# Altium PCB MB1605.PcbDoc (part 2 of 11)
Units mm, origin at the board's own origin, x right, y up, seen from the top; angles counter-clockwise.
Board outline 100 x 79.6 mm, 6 copper layers (Top Layer, Signal Layer 1, Signal Layer 2, Signal Layer 3, Signal Layer 4, Bottom Layer), stack 1.549 mm thick; 644 components, 529 nets, 2853 pads, 1462 vias.
Unrouted connection lines stored in the file: 2.
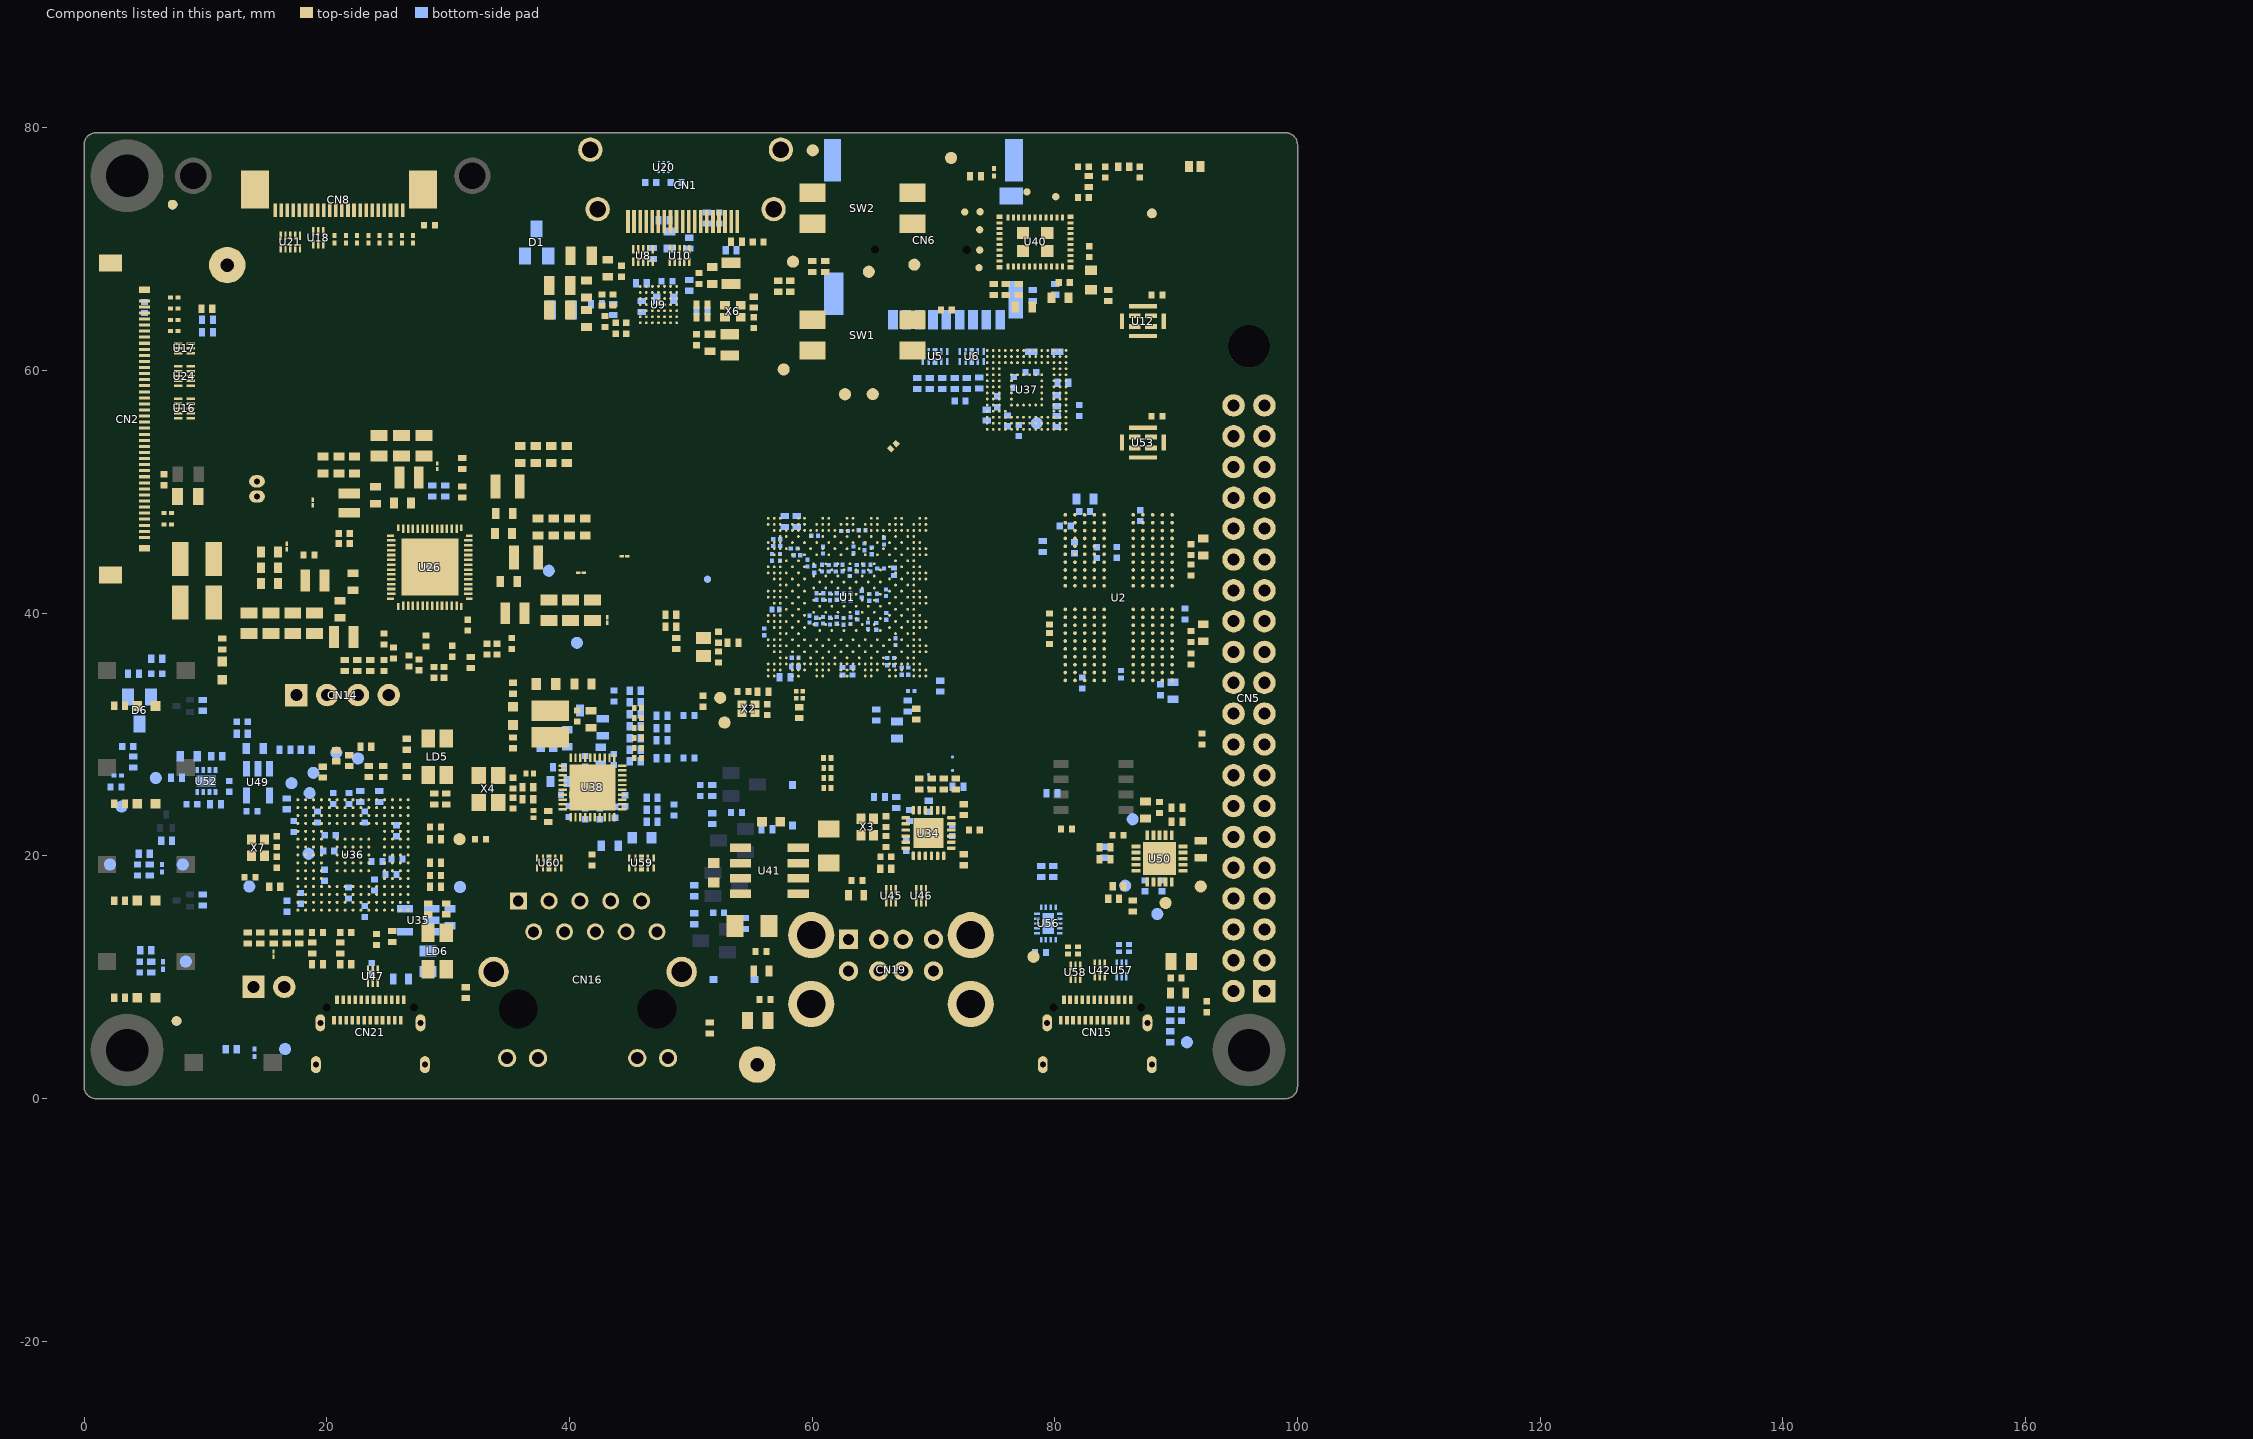
[diagram p6: the components of this part, seen from the top]

## Components (designator, comment, footprint, x,y, rotation, side; value= is the part's Value field where it differs from the comment) (continued)
R120 "Resistor" R0201_H0P23 45.645,30.544 r180 top value=22R
R121 "Resistor" R0201_H0P23 45.645,29.72 r180 top value=22R
R122 "Resistor" R0402 58.2,66.95 r90 top value=1K
R123 "Resistor" R0402 61.1,68.575 r270 top value=1K
R124 "Resistor" R0402 60.025,68.575 r270 top value=1K
R125 "Resistor" R0402 26.59,29.207 r90 top value=10K
R126 "Resistor" R0402 4.963,20.187 r0 bottom value=330R
R127 "Resistor" R0402 5.082,12.237 r0 bottom value=330R
R128 "Resistor" R0402 5.413,18.85 r90 bottom value=100K
R129 "Resistor" R0402 20.79,28.257 r90 top value=0R
R130 "Resistor" R0402 28.85,24.7 r90 top value=330R
R131 "Resistor" R0402 29.858,24.7 r270 top value=1K
R132 "Resistor" R0402 29.85,15.644 r90 top value=330R
R133 "Resistor" R0402 28.35,15.644 r90 top value=1K
R134 "Resistor" R0402 21.84,27.857 r90 top value=33R
R135 "Resistor" R0402 5.532,10.837 r90 bottom value=100K
R136 "Resistor" R0402 2.936,8.327 r0 top value=360R
R137 "Resistor" R0402 6.813,21.252 r0 bottom value=100K
R138 "Resistor" R0402 2.936,24.294 r180 top value=270R
R139 "Resistor" R0402 4.056,27.75 r90 bottom value=1K
R140 "Resistor" R0402 7.627,26.441 r0 bottom value=100R
R141 "Resistor" R0402 9.786,16.377 r90 bottom value=100K
R142 "Resistor" R0402 2.936,16.327 r180 top value=300R
R143 "Resistor" R0402 9.786,32.411 r90 bottom value=100K
R144 "" R0402 2.936,32.361 r0 top value=120R
R147 "Resistor" R0201_H0P23 45.645,28.898 r180 top value=22R
R148 "Resistor" R0201_H0P23 45.644,28.065 r180 top value=22R
R149 "Resistor" R0201_H0P23 45.645,32.185 r180 top value=22R
R150 "Resistor" R0201_H0P23 45.645,31.365 r180 top value=22R
R151 "Resistor" R0402 35.35,33.82 r90 top value=270R
R153 "Resistor" R0402 23.465,26.957 r90 top value=33R
R154 "Resistor" R0402 24.64,26.957 r90 top value=0R
R155 "Resistor" R0402 26.59,26.957 r270 top value=0R
R156 "Resistor" R0402 19.69,26.907 r90 top value=10K
R158 "" R0402 35.35,29.32 r90 top value=4K7
R161 "Resistor" R0201_H0P23 62.506,35.225 r270 bottom value=22R
R162 "Resistor" R0402 51.775,23.075 r90 bottom value=100K
R164 "Resistor" R0201_H0P23 63.319,35.225 r270 bottom value=22R
R167 "Resistor" R0201_H0P23 61.245,28.065 r180 top value=22R
R173 "Resistor" R0201_H0P23 61.26,27.24 r180 top value=22R
R176 "Resistor" R0201_H0P23 36.725,26.8 r0 top value=22R
R178 "Resistor" R0201_H0P23 61.26,26.415 r180 top value=22R
R181 "Resistor" R0402 28.965,21.382 r0 top value=100R
R182 "" R0402 36.575,25.675 r0 top value=0R
R185 "Resistor" R0201_H0P23 61.26,25.59 r180 top value=22R
R187 "Resistor" R0402 50.297,14.825 r90 bottom value=100K
R188 "" R0402 36.575,24.675 r0 top value=0R
R191 "" R0402 46.82,24.8 r0 bottom value=1K5
R194 "Resistor" R0402 28.965,19.432 r0 top value=3K
R195 "" R0402 46.82,23.8 r0 bottom value=1K5
R196 "Resistor" R0201_H0P23 37.025,23.45 r90 top value=22R
R199 "" R0402 38.275,23.25 r270 top value=2K49
R200 "Resistor" R0402 54.438,14.437 r270 bottom value=100K
R205 "Resistor" R0402 46.82,22.8 r0 bottom value=10K
R207 "Resistor" R0402 15.715,17.482 r180 top value=33R
R209 "Resistor" R0402 28.965,17.443 r0 top value=33R
R210 "Resistor" R0402 11.386,37.465 r270 top value=270R
R211 "Resistor" R0402 25.415,13.362 r90 top value=0R
R212 "Resistor" R0402 13.49,13.232 r270 top value=0R
R213 "Resistor" R0402 14.54,13.232 r270 top value=10K
R214 "Resistor" R0402 15.615,13.232 r270 top value=10K
R215 "Resistor" R0402 16.69,13.232 r270 top value=10K
R216 "Resistor" R0402 17.74,13.232 r270 top value=5K1
R217 "Resistor" R0402 18.795,12.407 r270 top value=100K
R218 "Resistor" R0402 21.115,12.407 r270 top value=100K
R219 "Resistor" R0402 89.5,6.879 r90 bottom value=140K
R220 "Resistor" R0402 89.5,5.1 r90 bottom value=10K
R221 "Resistor" R0402 19.245,11.057 r0 top value=5K1
R222 "Resistor" R0402 21.565,11.057 r0 top value=5K1
R223 "Resistor" R0402 85.218,17.522 r180 top value=10K
R224 "Resistor" R0402 84.13,19.71 r180 top value=1K5
R225 "Resistor" R0603 92.025,20.56 r90 top value=22mR
R226 "Resistor" R0402 16.565,28.75 r0 bottom value=3K9
R227 "Resistor" R0402 18.315,28.75 r180 bottom value=100K
R228 "Resistor" R0402 84.13,20.71 r180 top value=1K5
R229 "Resistor" R0402 16.69,24.294 r90 bottom value=100K
R230 "Resistor" R0402 13.042,30.075 r0 bottom value=3K
R231 "Resistor" R0402 90.075,22.835 r0 top value=24K
R232 "Resistor" R0402 90.075,23.99 r180 top value=100K
R233 "" R0402 31.44,8.736 r90 top value=510R
R234 "" R0402 51.575,5.825 r270 top value=510R
R239 "Resistor" R0402 10.836,24.257 r180 bottom value=100K
R240 "Resistor" R0402 24.335,24.9 r270 bottom value=1K3
R241 "Resistor" R0402 22.765,24.9 r270 bottom value=1K8
R242 "Resistor" R0402 10.936,28.217 r0 bottom value=3K9
R245 "Resistor" R0402 48.355,39.873 r180 top value=1K5
R246 "Resistor" R0402 84.074,20.308 r270 bottom value=1K5
R248 "Resistor" R0402 80.657,58.98 r0 bottom value=10K
R250 "Resistor" R0402 57.744,47.57 r90 bottom value=200R
R251 "Resistor" R0402 58.751,47.57 r90 bottom value=200R
R260 "Resistor" R0402 28.689,50.071 r270 bottom value=1K5
R261 "Resistor" R0402 29.763,50.071 r270 bottom value=1K5
R267 "" R0402 57.773,34.723 r180 bottom value=0R
R269 "" R0402 58.956,31.808 r90 top value=0R
R272 "Resistor" R0402 48.805,37.505 r270 top value=10K
R286 "" R0402 67.89,32.365 r90 bottom value=0R
R292 "" R0402 45.42,29.72 r0 bottom value=4K7
R293 "" R0402 45.42,30.688 r0 bottom value=4K7
R303 "" R0402 45.42,27.785 r0 bottom value=4K7
R304 "" R0402 45.42,31.67 r0 bottom value=4K7
R305 "" R0402 45.42,32.651 r0 bottom value=4K7
R310 "" R0603 40.175,31.975 r0 bottom value=0R
R313 "" R0603 42.75,30.6 r90 bottom value=0R
R318 "" R0402 38.65,29.275 r90 bottom value=1K5
R319 "" R0402 37.625,29.275 r270 bottom value=4K7
R322 "" R0402 39.1,27.3 r180 bottom value=4K7
R323 "Resistor" R0402 72.483,19.687 r90 top value=10K
R324 "Resistor" R0402 72.477,23.817 r270 top value=10K
R325 "Resistor" R0402 79.775,25.178 r0 bottom value=1M
R327 "Resistor" R0402 86.438,15.875 r90 top value=100K
SB1 "SB_ON" SOLDER-BRIDGE_R0603-0R 69.587,26.223 r270 bottom
SB2 "SB_ON" SOLDER-BRIDGE_R0603-0R 71.577,27.65 r270 bottom
SW1 "SWITCH_2WAY" SWI_C&K_SDA02H1SBD_2POS 64.15,62.925 r90 top
SW2 "SWITCH_2WAY" SWI_C&K_SDA02H1SBD_2POS 64.15,73.375 r90 top
TP1 "Test Point" TP_SMD_0-6MM 80.075,74.331 r90 top
TP2 "Test Point" TP_SMD_1MM 2.136,19.3 r180 bottom
TP3 "Test Point" TP_SMD_1MM 8.136,19.3 r180 bottom
TP4 "Test Point" TP_SMD_1MM 40.618,37.56 r180 bottom
TP5 "Test Point" TP_SMD_1MM 8.386,11.3 r90 bottom
TP6 "Test Point" TP_SMD_1MM 3.095,24.07 r90 bottom
TP7 "Test Point" TP_SMD_1MM 5.913,26.425 r90 bottom
TP8 "Test_pin_conn_black" TP_PTH-1P02MM_TEST-TERMINAL_RS_101-2391_BLACK 11.799,68.689 r270 top value=TP
TP9 "Test Point" TP_SMD_0-6MM 77.7,74.725 r90 top
TP10 "Test Point" TP_SMD_0-6MM 73.754,68.475 r90 top
TP11 "Test Point" TP_SMD_1MM 86.412,23.025 r90 bottom
TP12 "Test Point" TP_SMD_1MM 52.427,33.031 r90 top
TP13 "Test Point" TP_SMD_1MM 20.79,28.507 r90 bottom
TP14 "Test Point" TP_SMD_0-6MM 73.81,69.925 r90 top
TP15 "Test Point" TP_SMD_1MM 64.995,58.058 r270 top
TP16 "Test Point" TP_SMD_1MM 62.711,58.047 r270 top
TP17 "Test Point" TP_SMD_0-6MM 72.573,73.072 r180 top
TP18 "Test Point" TP_SMD_0-6MM 51.376,42.803 r90 bottom
TP19 "Test Point" TP_SMD_0-6MM 73.844,73.087 r90 top
TP20 "Test Point" TP_SMD_0-6MM 73.81,71.607 r90 top
TP21 "Test Point" TP_SMD_1MM 78.516,55.665 r90 bottom
TP22 "Test Point" TP_SMD_1MM 16.565,4.09 r90 bottom
TP23 "Test Point" TP_SMD_1MM 57.651,60.096 r270 top
TP24 "Test Point" TP_SMD_1MM 64.675,68.143 r270 top
TP25 "Test Point" TP_SMD_1MM 68.425,68.725 r270 top
TP26 "Test Point" TP_SMD_1MM 18.9,26.85 r180 bottom
TP27 "Test Point" TP_SMD_1MM 18.505,20.182 r180 bottom
TP28 "Test Point" TP_SMD_1MM 17.098,26 r90 bottom
TP29 "Test Point" TP_SMD_1MM 18.59,25.182 r90 bottom
TP30 "Test Point" TP_SMD_1MM 38.304,43.502 r90 bottom
TP31 "Test Point" TP_SMD_1MM 58.425,68.975 r270 top
TP32 "Test Point" TP_SMD_1MM 71.45,77.525 r270 top
TP33 "Test Point" TP_SMD_1MM 30.94,21.382 r90 top
TP34 "Test Point" TP_SMD_1MM 78.243,11.686 r270 top
TP35 "Test Point" TP_SMD_1MM 90.888,4.65 r90 bottom
TP36 "Test Point" TP_SMD_1MM 85.798,17.551 r270 bottom
TP37 "Test Point" TP_SMD_1MM 88.449,15.218 r270 bottom
TP38 "Test Point" TP_SMD_1MM 89.125,16.131 r270 top
TP39 "Test Point" TP_SMD_1MM 92.025,17.49 r270 top
TP40 "Test Point" TP_SMD_1MM 30.985,17.443 r90 bottom
TP41 "Test Point" TP_SMD_1MM 13.625,17.482 r90 bottom
TP42 "Test Point" TP_SMD_1MM 52.78,30.993 r90 top
TP43 "Test Point" TP_SMD_1MM 22.575,28.041 r90 bottom
TP44 "Test Point" TP_SMD_1MM 60.05,78.15 r270 top
TP2000 "Test_pin_conn_black" TP_PTH-1P02MM_TEST-TERMINAL_RS_101-2391_BLACK 55.47,2.8 r90 top value=TP
U1 "STM32MP257FAK3" ICC_TFBGA424_14X14_P050_H1P20_CODE-B0A2 62.875,41.325 r0 top locked
U2 "MT53E1G32D2FW-046 WT:C" ICC_TFBGA200_10X14P5_P080_H1P05_PS0P3 85.26,41.29 r180 top locked
U3 "ESD-TRANSIL" ESD_ST0201 7.442,63.25 r0 top value=ESDZL5-1F4
U4 "ESD-TRANSIL" ESD_ST0201 7.429,66.025 r0 top value=ESDZL5-1F4
U5 "HSP051-4M10" ESD_UQFN-10L_2P5X1_P050 70.125,61.172 r0 bottom
U6 "HSP051-4M10" ESD_UQFN-10L_2P5X1_P050 73.154,61.172 r0 bottom
U7 "ESD-TRANSIL" ESD_ST0201 7.429,65.1 r0 top value=ESDZL5-1F4
U8 "ECMF4-40A100N10" ESD_UQFN-10L_2P25X1P4_P040 46.072,69.473 r180 top
U9 "ADV7535BCBZ" ICC_WLCSP49_3P46X3P46_P050 47.336,65.435 r0 top
U10 "ECMF4-40A100N10" ESD_UQFN-10L_2P25X1P4_P040 49.079,69.473 r180 top
U11 "ESD-TRANSIL" ESD_ST0201 20.65,70.813 r270 top value=ESDZL5-1F4
U12 "IMP34DT05TR" MIC_HCLGA_3X4X1_4LD 86.75,64.07 r90 top
U13 "ESD-TRANSIL" ESD_ST0201 7.429,64.175 r0 top value=ESDZL5-1F4
U14 "ESD-TRANSIL" ESD_ST0201 23.425,70.813 r270 top value=ESDZL5-1F4
U15 "ESD-TRANSIL" ESD_ST0201 14.062,3.778 r270 bottom value=ESDZL5-1F4
U16 "ECMF4-40A100N10" ESD_UQFN-10L_2P25X1P4_P040 8.277,56.875 r270 top
U17 "ECMF2-40A100N6" ESD_UQFN-6L_1P45X1P4_P040 8.277,61.825 r270 top
U18 "ECMF2-40A100N6" ESD_UQFN-6L_1P45X1P4_P040 19.3,70.95 r180 top
U19 "ESD-TRANSIL" ESD_ST0201 26.2,70.813 r270 top value=ESDZL5-1F4
U20 "HDMI05-CL02F3" ESD_FLIP-CHIP_BGA9_1P14X1P14_P040 47.764,76.769 r90 bottom
U21 "ECMF4-40A100N10" ESD_UQFN-10L_2P25X1P4_P040 17,70.6 r180 top
U22 "ESD-TRANSIL" ESD_ST0201 6.909,48.25 r0 top value=ESDZL5-1F4
U23 "ESD-TRANSIL" ESD_ST0201 6.909,47.325 r0 top value=ESDZL5-1F4
U24 "ECMF4-40A100N10" ESD_UQFN-10L_2P25X1P4_P040 8.277,59.55 r270 top
U25 "ESD-TRANSIL" ESD_ST0201 6.413,18.987 r270 bottom value=ESDZL5-1F4
U26 "STPMIC25APQR" ICC_QFN56-EPAD_6P5X6P5_P040 28.5,43.8 r90 top
U27 "ESD-TRANSIL" ESD_ST0201 6.493,10.975 r270 bottom value=ESDZL5-1F4
U28 "ESD-TRANSIL" ESD_ST0201 2.77,26.627 r180 bottom value=ESDALC6V1-1U2
U29 "ESD-TRANSIL" ESD_ST0201 21.575,70.813 r270 top value=ESDZL5-1F4
U31 "ESD-TRANSIL" ESD_ST0201 22.5,70.813 r270 top value=ESDZL5-1F4
U32 "ESD-TRANSIL" ESD_ST0201 24.35,70.813 r270 top value=ESDZL5-1F4
U33 "ESD-TRANSIL" ESD_ST0201 25.275,70.813 r270 top value=ESDZL5-1F4
U34 "USB2422-I/MJ" ICC_SQFN24-EPAD_4X4_P050 69.587,21.888 r90 top
U35 "ST730M33R" ICC_SOT23-5L_H1P45 27.546,14.7 r270 bottom
U36 "STLINK-V3EC" ICC_UFBGA201_176+25_10X10_P065 22.165,20.082 r0 top value=STM32F723IEK6
U37 "eMMC_THGBMUG6C1LBAIL" ICC_WFBGA153_13X11P5_P050 77.675,58.405 r0 top value=THGBMUG6C1LBAIL
U38 "RTL8211F-CG" ICC_QFN40-EPAD_5X5_P040 41.9,25.65 r90 top
U39 "ESD-TRANSIL" ESD_ST0201 27.125,70.813 r270 top value=ESDZL5-1F4
U40 "LBEE5KL1YN-814" MOD_WLAN-BT_MURATA_LBEE5KL1YN-814 78.375,70.6 r180 top
U41 "STMPS2252MTR" ICC_SO8_5X4_P127 56.479,18.778 r270 top
U42 "ECMF2-40A100N6" ESD_UQFN-6L_1P45X1P4_P040 83.7,10.598 r0 top
U43 "ESD-TRANSIL" ESD_QFN1610_2N_1K_2A 90.15,8.702 r0 top value=ESDA25P35-1U1M
U44 "ESD-TRANSIL" ESD_QFN1610_2N_1K_2A 63.625,16.76 r0 top value=ESDA7P120-1U1M
U45 "ECMF2-40A100N6" ESD_UQFN-6L_1P45X1P4_P040 66.5,16.725 r0 top
U46 "ECMF2-40A100N6" ESD_UQFN-6L_1P45X1P4_P040 68.984,16.725 r0 top
U47 "ECMF2-40A100N6" ESD_UQFN-6L_1P45X1P4_P040 23.8,10.086 r0 top
U48 "ESD-TRANSIL" ESD_QFN1610_2N_1K_2A 26.11,9.865 r0 bottom value=ESDA25P35-1U1M
U49 "STMPS2151STR" MOS_SOT23-5L 14.331,26.093 r0 bottom
U50 "TCPP03-M20" ICC_QFN20-EPAD_4X4_P050 88.625,19.785 r90 top
U51 "ESD-TRANSIL" ESD_QFN1610_2N_1K_2A 55.82,10.535 r180 top value=ESDA7P120-1U1M
U52 "TPS259535DSG" ICC_WSON8-EPAD_2X2_P050 10.086,26.177 r90 bottom
U53 "IMP34DT05TR" MIC_HCLGA_3X4X1_4LD 86.75,54.07 r90 top
U54 "ESD-TRANSIL" ESD_ST0201 74.975,76.338 r90 top value=ESDZL5-1F4
U56 "FUSB340TMX" ICC_UQFN18-EPAD_2X2P80_P040 79.468,14.436 r0 bottom
U57 "ECMF2-40A100N6" ESD_UQFN-6L_1P45X1P4_P040 85.498,10.598 r180 bottom
U58 "ECMF2-40A100N6" ESD_UQFN-6L_1P45X1P4_P040 81.7,10.413 r0 top
U59 "HSP051-4M10" ESD_UQFN-10L_2P5X1_P050 45.945,19.422 r180 top
U60 "HSP051-4M10" ESD_UQFN-10L_2P5X1_P050 38.325,19.422 r180 top
X1 "XTAL_2_PINS" CRY_NX2012SA_2P 51.059,37.225 r270 top value=32.768KHz
X2 "XTAL_4_PINS" CRY_NX1612SA_4P 54.759,32.135 r180 top value=40MHz
X3 "XTAL_4_PINS" CRY_NX2016SA_4P 64.543,22.39 r90 top value=24MHz
X4 "XTAL_4_PINS" CRY_NX3225HA_4P 33.325,25.525 r270 top value=25MHz
X6 "OSCILLATOR_4_PINS" CRY_NZ2016SH_4P 53.463,64.895 r180 top value=24MHz
X7 "XTAL_4_PINS" CRY_NX2016SA_4P 14.34,20.682 r270 top value=24MHz

## Footprints (in the part's own frame and the unit in brackets; to place one, negate y for a bottom-side part, rotate by r counter-clockwise, add the part's x,y. Pads: shape width x height; smd on the part's side, far side on the other; paste and mask are expansions set on the pad)
C0201_H0P3 [mm] "MCD-00699"
  rect 0.4x0.5 smd mask+0.05: 1(-0.3,0) 2(0.3,0)
  body extent -0.32,-0.17 0.32,0.17, height 0.33
C0201_H0P5 [mm] "MCD-01534"
  rect 0.4x0.5 smd mask+0.05: 1(-0.3,0) 2(0.3,0)
  body extent -0.35,-0.2 0.35,0.2, height 0.55
C0201_MURATA_GRM033_H0P3 [mm] "GRM033R60J105ME11"
  rect 0.35x0.35 smd mask+0.05: 1(-0.275,0) 2(0.275,0)
  body extent -0.32,-0.17 0.32,0.17, height 0.33
C0402 [mm]
  rect 0.51x0.56 smd mask+0.05: 1(-0.45,0) 2(0.45,0)
  body extent -0.5,-0.3 0.5,0.3, height 0.4
C0603 [mm]
  rect 0.64x0.89 smd mask+0.05: 1(-0.7,0) 2(0.7,0)
  silkscreen extent -1.05,-0.55 1.02,0.55, body extent -0.9,-0.5 0.9,0.5, height 1.4
C0805 [mm]
  rect 0.9x1.4 smd mask+0.05: 1(-0.85,0) 2(0.85,0)
  silkscreen extent -1.3,-0.77 1.3,0.77, body extent -1.1,-0.7 1.1,0.7, height 1.35
C1206_H1P6 [mm]
  rect 1.4x1.78 smd mask+0.05: 1(-1.4,0) 2(1.4,0)
  silkscreen extent -2.12,-0.97 2.15,0.97, body extent -1.7,-0.9 1.7,0.9, height 1.8
CON_DUAL-USB-TYPE-A_CONEXCON_5600-3081 [mm]
  round 1.6 hole 0.92: B1(-3.5,13.01) B2(-1,13.01) B3(1,13.01) B4(3.5,13.01) T2(-1,15.63) T3(1,15.63) T4(3.5,15.63)
  round 3.8 hole 2.33: CH1(6.57,10.3) CH2(-6.57,10.3) CH3(-6.57,15.98) CH4(6.57,15.98)
  rect 1.6x1.6 hole 0.92: T1(-3.5,15.63)
  silkscreen extent -7.3,-0.4 7.3,17.85, body extent -7.83,-0.6 7.87,17.85, height 16.2
CON_HDMI_FCI-AMPHENOL_10029449-001RLF [mm]
  rect 0.3x1.9 smd mask+0.05: 1(4.75,8.5) 2(4.25,8.5) 3(3.75,8.5) 4(3.25,8.5) 5(2.75,8.5) 6(2.25,8.5) 7(1.75,8.5) 8(1.25,8.5) 9(0.75,8.5) 10(0.25,8.5) 11(-0.25,8.5) 12(-0.75,8.5) 13(-1.25,8.5) 14(-1.75,8.5) 15(-2.25,8.5) 16(-2.75,8.5) 17(-3.25,8.5) 18(-3.75,8.5) 19(-4.25,8.5)
  round 2 hole 1.35 mask+0.1: 20(7.25,7.5) 21(-7.25,7.5) 22(7.85,2.6) 23(-7.85,2.6)
  silkscreen extent -7.5,-1 7.5,8, body extent -8.1,-1 8.1,8.9, height 6.3
CON_I-PEX_20455-040E-76 [mm] "MCD-03562"
  rect 0.25x0.9 smd mask+0.05: 1(-9.75,0.5) 2(-9.25,0.5) 3(-8.75,0.5) 4(-8.25,0.5) 5(-7.75,0.5) 6(-7.25,0.5) 7(-6.75,0.5) 8(-6.25,0.5) 9(-5.75,0.5) 10(-5.25,0.5) 11(-4.75,0.5) 12(-4.25,0.5) 13(-3.75,0.5) 14(-3.25,0.5) 15(-2.75,0.5) 16(-2.25,0.5) 17(-1.75,0.5) 18(-1.25,0.5) 19(-0.75,0.5) 20(-0.25,0.5) 21(0.25,0.5) 22(0.75,0.5) 23(1.25,0.5) 24(1.75,0.5) 25(2.25,0.5) 26(2.75,0.5) 27(3.25,0.5) 28(3.75,0.5) 29(4.25,0.5) 30(4.75,0.5) 31(5.25,0.5) 32(5.75,0.5) 33(6.25,0.5) 34(6.75,0.5) 35(7.25,0.5) 36(7.75,0.5) 37(8.25,0.5) 38(8.75,0.5) 39(9.25,0.5) 40(9.75,0.5)
  rect 1.4x1.9 smd mask+0.05: 41(-12.85,-2.32) 44(12.85,-2.32)
  rect 0.55x0.9 smd mask+0.05: 42(-10.65,0.5) 43(10.65,0.5)
  silkscreen extent -13.13,-2.78 13.13,0.92, body extent -13.13,-3.05 13.12,0.9, height 1.03
CON_MICROSD_YAMAICHI_PJS008-2003-1 [mm] "WITH POSITIONNING PINS"
  rect 1.6x0.8 smd paste+0 mask+0.05: 1(-15.6,-2.525) 2(-15.6,-1.425) 3(-15.6,-0.325) 4(-15.6,0.775) 5(-15.6,1.875) 6(-15.6,2.975) 7(-15.6,4.075) 8(-15.6,5.175) 9(-15.6,6.325)
  rect 1.4x1.95 smd paste+0 mask+0.05: 10(-5.4,7.225)
  rect 3.5x1.5 smd paste+0 mask+0.05: 11(-2.45,7.45)
  rect 3.5x1.4 smd paste+0 mask+0.05: 12(-2.45,-7.5)
  rect 3.5x1.6 smd paste+0 mask+0.05: 13(-13.45,-7.4)
  rect 3.1x1.2 smd paste+0 mask+0.05: 14(-13.95,7.6)
  round 0 hole 0.65 unplated mask+0.05: NPTH1(-9.8,-4)
  round 0 hole 0.7 unplated mask+0.05: NPTH2(-9.8,3.55)
  silkscreen extent -15.32,-7.25 5.65,7.25, body extent -15.25,-7.25 -0.45,7.42, height 2
CON_MOLEX_53047-0210 [mm]
  oval 1x1.3 hole 0.5 mask+0.05: 1(-0.625,0) 2(0.625,0)
  silkscreen extent -2.12,-1.15 2.13,2.05, body extent -2.13,-1.15 2.13,2.05, height 4.2
CON_RJ45_YD_48F-01GYDXNL_LED-P [mm]
  rect 1.4x1.4 hole 0.9 mask+0.05: 1(-5.715,16.29)
  round 1.4 hole 0.9 mask+0.05: 2(-4.445,13.75) 3(-3.175,16.29) 4(-1.905,13.75) 5(-0.635,16.29) 6(0.635,13.75) 7(1.905,16.29) 8(3.175,13.75) 9(4.445,16.29) 10(5.715,13.75)
  round 1.5 hole 1 mask+0.05: 11(-6.63,3.34) 12(-4.09,3.34) 13(4.09,3.34) 14(6.63,3.34)
  round 2.5 hole 1.7 mask+0.05: 15(7.75,10.45) 16(-7.75,10.45)
  round 1 hole 3.2 unplated mask+0.1: 17(-5.715,7.4) 18(5.715,7.4)
  Multi-Layer keep-out circle w0.01: c5.715,7.4 r1.9
  Multi-Layer keep-out circle w0.01: c-5.715,7.4 r1.9
  silkscreen extent -10.54,-3.5 11.26,18.34, body extent -11.4,-3.5 11.39,18.34, height 17
CON_SAMTEC_TSW-102-07-G-S [mm]
  rect 1.85x1.85 / inner round 1.85 / far side rect 1.85x1.85 hole 1 mask+0.05: 1(-1.27,0)
  round 1.85 hole 1 mask+0.05: 2(1.27,0)
  silkscreen extent -2.58,-1.3 2.58,1.3, body extent -2.67,-1.3 2.58,1.3, height 8.38
CON_SAMTEC_TSW-104-07-G-S [mm]
  rect 1.85x1.85 / inner round 1.85 / far side rect 1.85x1.85 hole 1 mask+0.05: 1(-3.81,0)
  round 1.85 hole 1 mask+0.05: 2(-1.27,0) 3(1.27,0) 4(3.81,0)
  silkscreen extent -5.12,-1.3 5.12,1.3, body extent -5.21,-1.37 5.18,1.37, height 8.38
CON_SAMTEC_TSW-120-07-G-D [mm]
  rect 1.85x1.85 / inner round 1.85 / far side rect 1.85x1.85 hole 1 mask+0.05: 1(-24.13,-1.27)
  round 1.85 hole 1 mask+0.05: 2(-24.13,1.27) 3(-21.59,-1.27) 4(-21.59,1.27) 5(-19.05,-1.27) 6(-19.05,1.27) 7(-16.51,-1.27) 8(-16.51,1.27) 9(-13.97,-1.27) 10(-13.97,1.27) 11(-11.43,-1.27) 12(-11.43,1.27) 13(-8.89,-1.27) 14(-8.89,1.27) 15(-6.35,-1.27) 16(-6.35,1.27) 17(-3.81,-1.27) 18(-3.81,1.27) 19(-1.27,-1.27) 20(-1.27,1.27) 21(1.27,-1.27) 22(1.27,1.27) 23(3.81,-1.27) 24(3.81,1.27) 25(6.35,-1.27) 26(6.35,1.27) 27(8.89,-1.27) 28(8.89,1.27) 29(11.43,-1.27) 30(11.43,1.27) 31(13.97,-1.27) 32(13.97,1.27) 33(16.51,-1.27) 34(16.51,1.27) 35(19.05,-1.27) 36(19.05,1.27) 37(21.59,-1.27) 38(21.59,1.27) 39(24.13,-1.27) 40(24.13,1.27)
  silkscreen extent -25.4,-2.54 25.4,2.54, body extent -25.4,-2.55 25.4,2.54, height 8.38
CON_TE-CONNECTIVITY_2-1734592-2_INV [mm] "MCD-03600"
  rect 0.3x1.1 smd mask+0.05: 1(5.25,1.7) 2(4.75,1.7) 3(4.25,1.7) 4(3.75,1.7) 5(3.25,1.7) 6(2.75,1.7) 7(2.25,1.7) 8(1.75,1.7) 9(1.25,1.7) 10(0.75,1.7) 11(0.25,1.7) 12(-0.25,1.7) 13(-0.75,1.7) 14(-1.25,1.7) 15(-1.75,1.7) 16(-2.25,1.7) 17(-2.75,1.7) 18(-3.25,1.7) 19(-3.75,1.7) 20(-4.25,1.7) 21(-4.75,1.7) 22(-5.25,1.7)
  rect 2.3x3.1 smd mask+0.05: S1(6.92,0) S2(-6.92,0)
  silkscreen extent -8.22,-3.06 8.21,1.35, body extent -8.22,-3.06 8.21,2.05, height 2.05
CON_USB-TYPEC_AMPHENOL_12401826E412A [mm] "MCD-03232"
  round 0 hole 0.65 unplated mask+0.05: 0(-3.6,0)
  round 0 hole 0.65 slot 0.95 at 0 deg unplated mask+0.05: 0(3.6,0)
  rect 0.3x0.7 smd mask+0.05: A1(-2.75,0.66) A2(-2.25,0.66) A3(-1.75,0.66) A4(-1.25,0.66) A5(-0.75,0.66) A6(-0.25,0.66) A7(0.25,0.66) A8(0.75,0.66) A9(1.25,0.66) A10(1.75,0.66) A11(2.25,0.66) A12(2.75,0.66) B1(2.5,-1.04) B2(2,-1.04) B3(1.5,-1.04) B4(1,-1.04) B5(0.5,-1.04) B6(0,-1.04) B7(-0.5,-1.04) B8(-1,-1.04) B9(-1.5,-1.04) B10(-2,-1.04) B11(-2.5,-1.04) B12(-3,-1.04)